# Altium PCB SAC100001-PB-Collar.PcbDoc (part 1 of 4) (continued)
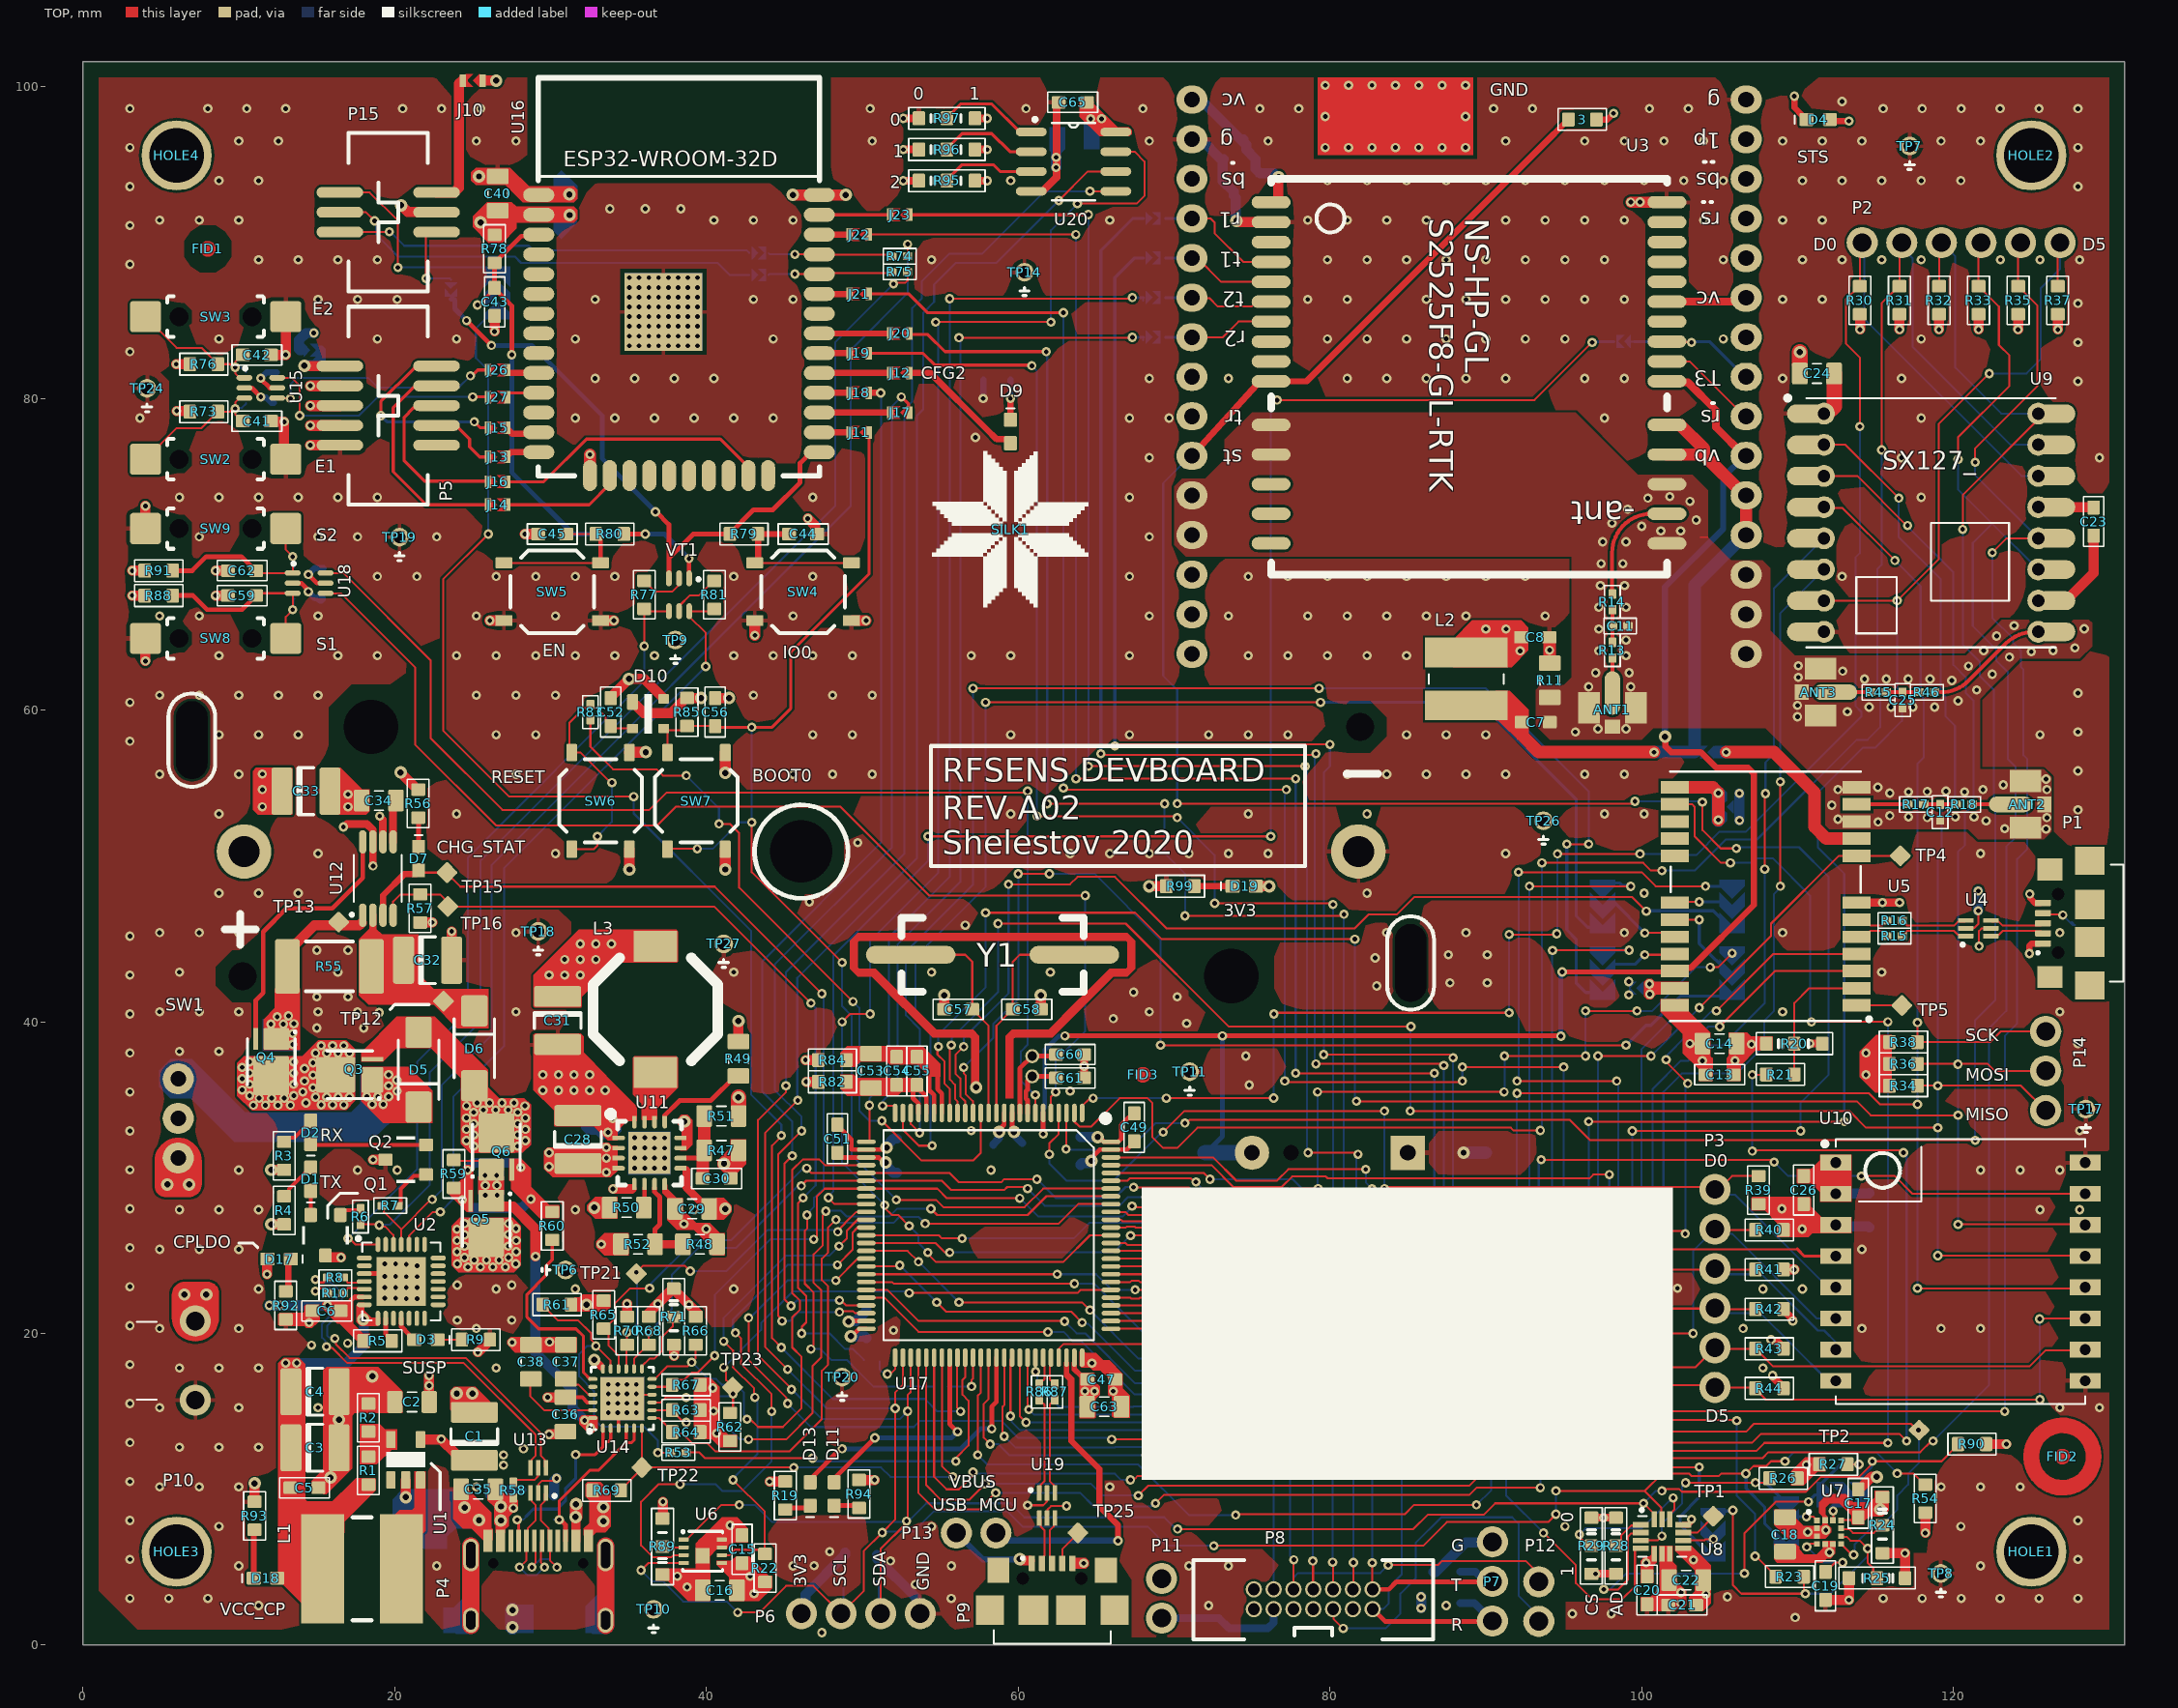
[diagram p0: TOP view]
## Components (designator, comment, footprint, x,y, rotation, side; value= is the part's Value field where it differs from the comment) (continued)
TP16 "TEST_POINT" TP_1MM 23.4,47.4 r90 top
TP17 "TEST_POINT" THOOK_0.8-1 128.5,34.4 r0 top
TP18 "TEST_POINT" THOOK_0.8-1 29.2,45.8 r0 top
TP19 "TEST_POINT" THOOK_0.8-1 20.3,71.1 r0 top
TP20 "TEST_POINT" THOOK_0.8-1 48.7,17.2 r0 top
TP21 "TEST_POINT" TP_1MM 35.5,23.825 r90 top
TP22 "TEST_POINT" TP_1MM 35.85,11.4 r270 top
TP23 "TEST_POINT" TP_1MM 41.675,16.55 r90 top
TP24 "TEST_POINT" THOOK_0.8-1 4.1,80.65 r0 top
TP25 "TEST_POINT" TP_1MM 63.825,7.2 r90 top
TP26 "TEST_POINT" THOOK_0.8-1 93.7,52.9 r0 top
TP27 "TEST_POINT" THOOK_0.8-1 41.1,45 r0 top
U1 "TPS560200DBVR" SOT-23-5 20.7,11.9 r90 top
U2 "CP2102-GM" QFN50P500X500X100-29N 20.412,23.34 r0 top
U3 "NS-HP-GL" SKYTRAQ-MOD-COMB 88.925,81.393 r180 top
U4 "USBLC6-2" SOT-666 121.6,46 r90 top
U5 "NEO-M8" NEO 107.958,48.05 r0 top
U6 "SHT30-DIS" SHT3X 39.75,6.025 r0 top
U7 "LIS3MDLTR" VFLGA-12 112.022,7.252 r0 top
U8 "LSM6DSOX" LGA-14L-PQFN50P250X300X86-14N 101.309,6.971 r0 top
U9 "SX1278" SX1278 118.575,72.025 r0 top
U10 "RA-02" RA-02 120.46,23.965 r0 top
U11 "TPS62110RSAT" VQFN-16 36.344,31.575 r0 top
U12 "MCP73843" MSOP-8-SOP65P490X110-8N 18.916,49.194 r90 top
U13 "USBLC6-2" SOT-666 29.2,10.575 r180 top
U14 "STUSB1602" QFN24-4x4x0.9 34.6,15.825 r90 top
U15 "74HC2G14" SOT363/SOT65P210X110-6N 11.4,80.675 r0 top
U16 "ESP32-WROOM-32D" ESP32-WROOM-32 38.235,87.8 r0 top
U17 "STM32L476VGT" LQFP100_0.5 58.1,26.3 r180 top
U18 "74HC2G14" SOT363/SOT65P210X110-6N 14.5,68.15 r0 top
U19 "USBLC6-2" SOT-666 61.85,8.95 r0 top
U20 "M24C64-WDW6T" SO-8-SOIC127P600X175-8N 63.55,95.2 r0 top
VT1 "BC847BDW1T1G" SOT363/SOT65P210X110-6N 38.235,67.4 r270 top
Y1 "Q_8MHz" QSMD12.3x4.5x4.2 58.35,44.3 r0 top
Y2 "Q_32.768KHz" HC_3.0X8.0 65.8,37.15 r180 bottom

## Footprints (in the part's own frame and the unit in brackets; to place one, negate y for a bottom-side part, rotate by r counter-clockwise, add the part's x,y. Pads: shape width x height; smd on the part's side, far side on the other; paste and mask are expansions set on the pad)
18650-COMBI [mm]
  round 1.524 hole 2 slot 5 at 90 deg unplated: MECH(-39.1,-7.15) MECH(39.1,7.15)
  round 1.524 hole 1.8 unplated mask+0.5: MECH(-35.85,8) MECH(35.85,-8)
  round 1.524 hole 3.5 unplated mask+1.4: MECH(-27.6,-8) MECH(27.6,8)
  round 1.524 hole 4 unplated mask+1.6: MECH(0,0)
  round 3.5 hole 2: NEG(35.75,0) POS(-35.75,0)
  rrect100% 8x3.5 smd: NEG(38,0) POS(-38,0)
  rect 6x8 smd: NEG(41.5,0) POS(-41.5,0)
  TOP pour cut-out: -30.35,-6.749 -28.851,-5.251 -26.349,-5.25 -24.85,-6.75 -24.85,-9.25 -26.35,-10.75 -28.85,-10.75 -30.35,-9.249
  TOP pour cut-out: 24.85,9.251 26.349,10.749 28.851,10.75 30.35,9.25 30.35,6.75 28.85,5.25 26.35,5.25 24.85,6.751
  TOP pour cut-out: -2.75,1.251 -1.251,2.749 1.251,2.75 2.75,1.25 2.75,-1.25 1.25,-2.75 -1.25,-2.75 -2.75,-1.249
  TOP pour cut-out: 34.1,-7.4 35.2,-6.3 36.5,-6.3 37.6,-7.401 37.6,-8.6 36.5,-9.7 35.2,-9.7 34.1,-8.599
  TOP pour cut-out: -37.6,8.6 -36.5,9.7 -35.2,9.7 -34.1,8.599 -34.1,7.4 -35.2,6.3 -36.5,6.3 -37.6,7.401
  BOT pour cut-out: 24.85,9.251 26.349,10.749 28.851,10.75 30.35,9.25 30.35,6.75 28.85,5.25 26.35,5.25 24.85,6.751
  BOT pour cut-out: -30.35,-6.749 -28.851,-5.251 -26.349,-5.25 -24.85,-6.75 -24.85,-9.25 -26.35,-10.75 -28.85,-10.75 -30.35,-9.249
  BOT pour cut-out: -2.75,1.251 -1.251,2.749 1.251,2.75 2.75,1.25 2.75,-1.25 1.25,-2.75 -1.25,-2.75 -2.75,-1.249
  BOT pour cut-out: 34.1,-7.4 35.2,-6.3 36.5,-6.3 37.6,-7.401 37.6,-8.6 36.5,-9.7 35.2,-9.7 34.1,-8.599
  BOT pour cut-out: -37.6,8.6 -36.5,9.7 -35.2,9.7 -34.1,8.599 -34.1,7.4 -35.2,6.3 -36.5,6.3 -37.6,7.401
  silkscreen extent -43,-10.25 43,10.25, body extent -42.98,-10.33 43.03,10.32, height 14.96
BH500-CR1216/20/25-COMB [mm]
  round 0.5 hole 1 unplated: H(2.5,0)
  rect 2.4x2.2 smd: NEG(-10,0) POS(8,0)
  rect 2.2x2.2 hole 1.016: NEG(-5,0)
  round 2.2 hole 1: POS(5,0)
  silkscreen extent -8.3,-6.8 5.75,6.8, body extent -10.4,-7.35 8.4,7.4, height 4.33
BH-6-SMD-1.27 [mm]
  rrect100% 0.7x3 smd: 1(1.27,3.1) 2(1.27,-3.1) 3(0,3.1) 4(0,-3.1) 5(-1.27,3.1) 6(-1.27,-3.1)
  silkscreen extent -5.08,-2.54 5.08,2.54, body extent -5.13,-3.1 5.13,3.1, height 5.05
BH-10-SMD-1.27 [mm]
  rrect100% 0.7x3 smd: 1(2.54,3.1) 2(2.54,-3.1) 3(1.27,3.1) 4(1.27,-3.1) 5(0,3.1) 6(0,-3.1) 7(-1.27,3.1) 8(-1.27,-3.1) 9(-2.54,3.1) 10(-2.54,-3.1)
  silkscreen extent -6.35,-2.54 6.35,2.54, body extent -6.32,-3.05 6.32,3.05, height 5.45
BH-14-1.27 [mm]
  round 1.05 hole 0.762: 1(3.81,0.635) 2(3.81,-0.635) 3(2.54,0.635) 4(2.54,-0.635) 5(1.27,0.635) 6(1.27,-0.635) 7(0,0.635) 8(0,-0.635) 9(-1.27,0.635) 10(-1.27,-0.635) 11(-2.54,0.635) 12(-2.54,-0.635) 13(-3.81,0.635) 14(-3.81,-0.635)
  silkscreen extent -7.7,-2.51 7.7,2.57, body extent -7.7,-2.5 7.7,5.11, height 5.05
C0402 [mm]
  rrect20% 0.6x0.5 smd: 1(-0.5,0) 2(0.5,0)
  silkscreen extent -1.05,-0.5 1.05,0.5, body extent -0.49,-0.25 0.49,0.25, height 0.55
C0603 [mm]
  rrect20% 0.9x0.8 smd: 1(-0.9,0) 2(0.9,0)
  silkscreen extent -1.6,-0.65 1.6,0.65, body extent -0.8,-0.64 0.8,0.39, height 1.25
C0603_NOSILK [mm]
  rrect20% 0.9x0.8 smd: 1(-0.9,0) 2(0.9,0)
  body extent -0.8,-0.64 0.8,0.39, height 1.25
C0805 [mm]
  rrect20% 1x1.4 smd: 1(-1.1,0) 2(1.1,0)
  silkscreen extent -0.3,-0.63 0.3,0.63, body extent -1,-0.63 1,0.63, height 0.85
C1206 [mm]
  rrect20% 1.4x1.8 smd: 1(-1.5,0) 2(1.5,0)
  silkscreen extent -0.5,-0.8 0.5,0.8, body extent -1.6,-0.8 1.6,0.8, height 1.3
CAP_SIZE_B [mm]
  rrect20% 1.34x3.02 smd: 1(-1.54,0) 2(1.54,0)
  silkscreen extent -0.6,-1.5 0.5,1.5, body extent -1.85,-1.5 1.85,1.5, height 2.11
CFG_0603 [mm]
  rect 0.3x0.3 smd paste-2: 1(-1.45,0) 2(-0.175,0) 3(1.3,0)
  TOP region: -0.775,0 0.025,0.8 0.925,0.8 0.125,0 0.925,-0.8 0.025,-0.8
  TOP region: 1.325,0.8 0.525,0 1.325,-0.8 1.725,-0.8 1.725,0.8
  TOP region: -0.375,0.8 -1.675,0.8 -1.675,-0.8 -0.375,-0.8 -1.175,0
CFG_J_0603 [mm]
  rect 0.4x0.8 smd: 1(-0.625,0) 2(0.625,0)
  TOP region: -0.15,0.4
  TOP region: -0.05,0.4
  TOP region: -0.05,0.4
  TOP region: 0.45,-0.4 0.425,-0.4 0.025,0 0.425,0.4 0.45,0.4
  TOP region: 0,-0.4 0.025,-0.4 -0.375,0 0.025,0.4 -0.45,0.4 -0.45,-0.4
CON-UUSB-F-2 [mm]
  rrect20% 0.4x1 smd: 1(-1.3,3) 2(-0.65,3) 3(0,3) 4(0.65,3) 5(1.3,3)
  round 0.7 hole 0.8 unplated: None(-1.88,2.025) None(1.88,2.025)
  rect 1.8x1.9 smd: S1(4,0) S2(-4,0)
  rect 1.4x1.6 smd: S3(-3.45,2.55) S4(3.45,2.55)
  rect 1.9x1.9 smd: S5(-1.2,0) S6(1.2,0)
  silkscreen extent -3.75,-2.15 3.75,3.4, body extent -4,-2.87 4,2.73, height 2.78
DO-214AC [mm]
  rrect20% 2x1.7 smd: A(-2.4,0) C(2.4,0)
  silkscreen extent -1.9,-1.3 1.9,1.3, body extent -2.6,-1.3 2.6,1.3, height 2.4
ESP32-WROOM-32 [mm]
  rrect100% 2x0.9 smd: 1(-9,5.26) 2(-9,3.99) 3(-9,2.72) 4(-9,1.45) 5(-9,0.18) 6(-9,-1.09) 7(-9,-2.36) 8(-9,-3.63) 9(-9,-4.9) 10(-9,-6.17) 11(-9,-7.44) 12(-9,-8.71) 13(-9,-9.98) 14(-9,-11.25) 25(9,-11.25) 26(9,-9.98) 27(9,-8.71) 28(9,-7.44) 29(9,-6.17) 30(9,-4.9) 31(9,-3.63) 32(9,-2.36) 33(9,-1.09) 34(9,0.18) 35(9,1.45) 36(9,2.72) 37(9,3.99) 38(9,5.26)
  rrect100% 0.9x2 smd: 15(-5.715,-12.75) 16(-4.445,-12.75) 17(-3.175,-12.75) 18(-1.905,-12.75) 19(-0.635,-12.75) 20(0.635,-12.75) 21(1.905,-12.75) 22(3.175,-12.75) 23(4.445,-12.75) 24(5.715,-12.75)
  rect 5x5 smd: 39(-1,-2.24)
  silkscreen extent -9.03,-12.77 9.03,12.77, body extent -9.05,-12.78 9.02,12.76, height 3.1
FID_C_2-1 [mm]
  TOP circle w0.6: c0,0 r0.2
  TOP region: 0,0
FID_C_5-3-1 [mm]
  TOP circle w1: c0,0 r2
  TOP circle w0.6: c0,0 r0.2
  TOP region: 0,0
HC_3.0X8.0 [mm]
  round 0.9 hole 0.6: 1(4.9,0.65) 2(4.9,-0.65)
  rrect20% 4x2.2 smd: PAD(-0.4,0)
  silkscreen extent 1.9,-1 4.02,1, body extent -2.14,-1 5,1, height 2.1
"HEADER 1x2 2.54" [mm]
  round 2 hole 1.2: 1(0,1.27) 2(0,-1.27)
  body extent -1.3,-2.47 1.3,2.47, height 11.8
"HEADER 1x4 2.54" [mm]
  round 2 hole 1.2: 1(0,3.81) 2(0,1.27) 3(0,-1.27) 4(0,-3.81)
  body extent -1.3,-5.01 1.3,5.01, height 11.8
"HEADER 1x6 2.54" [mm]
  round 2 hole 1.2: 1(0,6.35) 2(0,3.81) 3(0,1.27) 4(0,-1.27) 5(0,-3.81) 6(0,-6.35)
  body extent -1.3,-7.55 1.3,7.55, height 11.8
HOLE_M3 [mm]
  round 4.5 hole 3.5: None(0,0)
L_CDRH4D18 [mm]
  rect 5.3x1.9 smd: 1(0,1.7) 2(0,-1.7)
  silkscreen extent -2.4,-0.3 2.4,0.3, body extent -2.35,-2.35 3.05,2.35, height 2.1
L_CDRH6D28 [mm]
  rect 2.75x7 smd: 1(2.525,0) 2(-2.525,0)
  silkscreen extent -0.6,-3.3 0.6,3.3, body extent -3.35,-3.35 3.35,3.35, height 3
L_CDRH8D43 [mm]
  rect 2x2.8 smd: 1(4.05,0) 2(-4.05,0)
  silkscreen extent -3.3,-4 3.3,4, body extent -4.34,-4 4.34,4, height 4.5
LED_0604 [mm]
  rrect20% 0.91x0.83 smd: A(0.75,0) C(-0.75,0)
  silkscreen extent -1.5,-0.25 -1.5,0.25, body extent -0.81,-0.4 0.81,0.4, height 0.6
LGA-14L-PQFN50P250X300X86-14N [mm]
  rect 1.01x0.35 smd: 1(-1.36,0.75) 2(-1.36,0.25) 3(-1.36,-0.25) 4(-1.36,-0.75) 8(1.36,-0.75) 9(1.36,-0.25) 10(1.36,0.25) 11(1.36,0.75)
  rect 0.35x1.01 smd: 5(-0.5,-1.11) 6(0,-1.11) 7(0.5,-1.11) 12(0.5,1.11) 13(0,1.11) 14(-0.5,1.11)
  silkscreen extent -1.55,-1.3 1.55,1.8, body extent -1.5,-1.25 1.5,1.25, height 0.88
LQFP100_0.5 [mm]
  oval 0.3x1.2 smd: 1(-6,-7.85) 2(-5.5,-7.85) 3(-5,-7.85) 4(-4.5,-7.85) 5(-4,-7.85) 6(-3.5,-7.85) 7(-3,-7.85) 8(-2.5,-7.85) 9(-2,-7.85) 10(-1.5,-7.85) 11(-1,-7.85) 12(-0.5,-7.85) 13(0,-7.85) 14(0.5,-7.85) 15(1,-7.85) 16(1.5,-7.85) 17(2,-7.85) 18(2.5,-7.85) 19(3,-7.85) 20(3.5,-7.85) 21(4,-7.85) 22(4.5,-7.85) 23(5,-7.85) 24(5.5,-7.85) 25(6,-7.85) 51(6,7.85) 52(5.5,7.85) 53(5,7.85) 54(4.5,7.85) 55(4,7.85) 56(3.5,7.85) 57(3,7.85) 58(2.5,7.85) 59(2,7.85) 60(1.5,7.85) 61(1,7.85) 62(0.5,7.85) 63(0,7.85) 64(-0.5,7.85) 65(-1,7.85) 66(-1.5,7.85) 67(-2,7.85) 68(-2.5,7.85) 69(-3,7.85) 70(-3.5,7.85) 71(-4,7.85) 72(-4.5,7.85) 73(-5,7.85) 74(-5.5,7.85) 75(-6,7.85)
  oval 1.2x0.3 smd: 26(7.85,-6) 27(7.85,-5.5) 28(7.85,-5) 29(7.85,-4.5) 30(7.85,-4) 31(7.85,-3.5) 32(7.85,-3) 33(7.85,-2.5) 34(7.85,-2) 35(7.85,-1.5) 36(7.85,-1) 37(7.85,-0.5) 38(7.85,0) 39(7.85,0.5) 40(7.85,1) 41(7.85,1.5) 42(7.85,2) 43(7.85,2.5) 44(7.85,3) 45(7.85,3.5) 46(7.85,4) 47(7.85,4.5) 48(7.85,5) 49(7.85,5.5) 50(7.85,6) 76(-7.85,6) 77(-7.85,5.5) 78(-7.85,5) 79(-7.85,4.5) 80(-7.85,4) 81(-7.85,3.5) 82(-7.85,3) 83(-7.85,2.5) 84(-7.85,2) 85(-7.85,1.5) 86(-7.85,1) 87(-7.85,0.5) 88(-7.85,0) 89(-7.85,-0.5) 90(-7.85,-1) 91(-7.85,-1.5) 92(-7.85,-2) 93(-7.85,-2.5) 94(-7.85,-3) 95(-7.85,-3.5) 96(-7.85,-4) 97(-7.85,-4.5) 98(-7.85,-5) 99(-7.85,-5.5) 100(-7.85,-6)
  silkscreen extent -7.8,-7.8 6.74,6.74, body extent -8,-8 8,8, height 1.6
MSOP-8-SOP65P490X110-8N [mm]
  rrect100% 1.5x0.49 smd: 1(-2.355,0.975) 2(-2.355,0.325) 3(-2.355,-0.325) 4(-2.355,-0.975) 5(2.355,-0.975) 6(2.355,-0.325) 7(2.355,0.325) 8(2.355,0.975)
  silkscreen extent -2.42,-1.53 1.5,1.77, body extent -2.5,-1.5 2.5,1.5, height 0.92
NEO [mm] "u-blox NEO GNSS module"
  rect 1.8x0.8 smd paste-0.1: 1(5.842,-7) 2(5.842,-5.9) 3(5.842,-4.8) 4(5.842,-3.7) 5(5.842,-2.6) 6(5.842,-1.5) 7(5.842,-0.4) 8(5.842,2.6) 9(5.842,3.7) 10(5.842,4.8) 11(5.842,5.9) 12(5.842,7) 13(-5.842,7) 14(-5.842,5.9) 15(-5.842,4.8) 16(-5.842,3.7) 17(-5.842,2.6) 18(-5.842,-0.4) 19(-5.842,-1.5) 20(-5.842,-2.6) 21(-5.842,-3.7) 22(-5.842,-4.8) 23(-5.842,-5.9) 24(-5.842,-7)
  silkscreen extent -6.11,-8 6.69,8, body extent -6.1,-8 6.1,8, height 2.28
PQFN-3X3 [mm]
  rrect10% 1.4x1.634 smd: 1(-1.45,0.325)
  rrect20% 1.4x0.3 smd: 2(-1.45,-1)
  rrect10% 2.5x2.3 smd: 3(0.9,0)
  silkscreen extent -1.97,-1.53 1.48,1.6, body extent -1.51,-1.5 1.52,1.5, height 1
QFN24-4x4x0.9 [mm]
  oval 0.6x0.25 smd: 1(-1.9,1.25) 2(-1.9,0.75) 3(-1.9,0.25) 4(-1.9,-0.25) 5(-1.9,-0.75) 6(-1.9,-1.25) 13(1.9,-1.25) 14(1.9,-0.75) 15(1.9,-0.25) 16(1.9,0.25) 17(1.9,0.75) 18(1.9,1.25)
  oval 0.25x0.6 smd: 7(-1.25,-1.9) 8(-0.75,-1.9) 9(-0.25,-1.9) 10(0.25,-1.9) 11(0.75,-1.9) 12(1.25,-1.9) 19(1.25,1.9) 20(0.75,1.9) 21(0.25,1.9) 22(-0.25,1.9) 23(-0.75,1.9) 24(-1.25,1.9)
  rect 2.8x2.8 smd mask+0.05: PAD(0,0)
  TOP region: -1.775,-1.475
  silkscreen extent -2.2,-2 2,2.2, body extent -2,-2.01 2.01,2, height 0.95
QFN50P500X500X100-29N [mm]
  rrect100% 0.97x0.3 smd mask+0.11: 1(-2.37,1.5) 2(-2.37,1) 3(-2.37,0.5) 4(-2.37,0) 5(-2.37,-0.5) 6(-2.37,-1) 7(-2.37,-1.5) 15(2.37,-1.5) 16(2.37,-1) 17(2.37,-0.5) 18(2.37,0) 19(2.37,0.5) 20(2.37,1) 21(2.37,1.5)
  rrect100% 0.3x0.97 smd mask+0.11: 8(-1.5,-2.37) 9(-1,-2.37) 10(-0.5,-2.37) 11(0,-2.37) 12(0.5,-2.37) 13(1,-2.37) 14(1.5,-2.37) 22(1.5,2.37) 23(1,2.37) 24(0.5,2.37) 25(0,2.37) 26(-0.5,2.37) 27(-1,2.37) 28(-1.5,2.37)
  rect 3.15x3.15 smd: 29(0,0)
  silkscreen extent -2.84,-2.5 2.5,2.84, body extent -2.5,-2.5 2.5,2.5, height 1.1
QSMD12.3x4.5x4.2 [mm]
  oval 5.75x1.15 smd: 1(-5.25,0) 2(5.25,0)
  silkscreen extent -5.85,-2.37 5.85,2.37, body extent -6.25,-2.4 6.25,2.4, height 4
R0402 [mm]
  rrect20% 0.6x0.5 smd: 1(-0.5,0) 2(0.5,0)
  silkscreen extent -1.05,-0.5 1.05,0.5, body extent -0.5,-0.25 0.5,0.25, height 0.35
R0402_NOSILK [mm]
  rrect20% 0.6x0.5 smd: 1(-0.5,0) 2(0.5,0)
  body extent -0.5,-0.25 0.5,0.25, height 0.35
R0603 [mm]
  rrect20% 0.8x0.9 smd: 1(-0.9,0) 2(0.9,0)
  silkscreen extent -1.55,-0.7 1.55,0.7, body extent -0.8,-0.4 0.8,0.4, height 0.45
R0805 [mm]
  rrect20% 1x1.4 smd: 1(-1.1,0) 2(1.1,0)
  silkscreen extent -0.3,-0.63 0.3,0.63, body extent -1,-0.62 1,0.63, height 0.6
R2512 [mm]
  rrect20% 1.6x3.5 smd: 1(-2.7,0) 2(2.7,0)
  silkscreen extent -1.5,-1.6 1.5,1.6, body extent -3.2,-1.6 3.2,1.6, height 0.6
RA-02 [mm]
  rect 2x1 hole 0.7: 1(-8,7) 2(-8,5) 3(-8,3) 4(-8,1) 5(-8,-1) 6(-8,-3) 7(-8,-5) 8(-8,-7) 9(8,-7) 10(8,-5) 11(8,-3) 12(8,-1) 13(8,1) 14(8,3) 15(8,5) 16(8,7)
  silkscreen extent -8.8,-8.5 8,8.5, body extent -8,-8.5 8,8.5, height 3.2
RJ0603 [mm]
  rrect20% 0.8x0.9 smd: 1(-1.8,0) 2(0,0) 3(1.8,0)
  silkscreen extent -2.45,-0.7 2.45,0.7, body extent -1.7,-0.4 -0.1,0.4, height 0.45
SHT3X [mm]
  rrect20% 0.65x0.25 smd: 1(-1.225,0.75) 2(-1.225,0.25) 3(-1.225,-0.25) 4(-1.225,-0.75) 5(1.225,-0.75) 6(1.225,-0.25) 7(1.225,0.25) 8(1.225,0.75)
  rect 0.9x1 smd: PAD(0,-0.3)
  TOP region: -0.45,0.5 -0.15,0.8 0.45,0.8 0.45,0.1 -0.45,0.1
  silkscreen extent -1.3,-1.28 1.28,1.29, body extent -1.26,-1.25 1.26,1.25, height 0.92
SILK_FERNFLOWER [mm]
  silkscreen extent -5.01,-5.01 5.01,5.01
SKYTRAQ-MOD-COMB [mm] "SkyTraq module S2525-F8-GL/NS-HP-GL[-5/-10]"
  rrect100% 2.5x0.8 smd: 1(12.7,-11.2) 2(12.7,-9.923) 3(12.7,-8.646) 4(12.7,-7.369) 5(12.7,-6.092) 6(12.7,-4.815) 7(12.7,-3.538) 8(12.7,-2.261) 9(12.7,-0.984) 10(12.7,0.293) 11(12.7,3.093) 12(12.7,4.993) 13(12.7,6.893) 14(12.7,8.793) 15(12.7,10.693) 16(-12.7,10.693) 17(-12.7,8.793) 18(-12.7,6.893) 19(-12.7,4.993) 20(-12.7,3.093) 21(-12.7,0.293) 22(-12.7,-0.984) 23(-12.7,-2.261) 24(-12.7,-3.538) 25(-12.7,-4.815) 26(-12.7,-6.092) 27(-12.7,-7.369) 28(-12.7,-8.646) 29(-12.7,-9.923) 30(-12.7,-11.2)
  oval 2x1.8 hole 1: 1(17.78,-17.78) 2(17.78,-15.24) 3(17.78,-12.7) 4(17.78,-10.16) 5(17.78,-7.62) 6(17.78,-5.08) 7(17.78,-2.54) 8(17.78,0) 9(17.78,2.54) 10(17.78,5.08) 11(17.78,7.62) 12(17.78,10.16) 13(17.78,12.7) 14(17.78,15.24) 15(17.78,17.78) 16(-17.78,15.24) 16(-17.78,17.78) 18(-17.78,12.7) 19(-17.78,10.16) 20(-17.78,7.62) 21(-17.78,5.08) 22(-17.78,2.54) 23(-17.78,0) 24(-17.78,-2.54) 25(-17.78,-5.08) 26(-17.78,-7.62) 27(-17.78,-10.16) 28(-17.78,-12.7) 29(-17.78,-15.24) 30(-17.78,-17.78)
  silkscreen extent -15.7,-13.79 15.2,12.7, body extent -19.08,-18.98 19.08,18.98, height 12.56
SO-8-SOIC127P600X175-8N [mil]
  rrect100% 78x22 smd: 1(-106.84,75) 2(-106.84,25) 3(-106.84,-25) 4(-106.84,-75) 5(106.84,-75) 6(106.84,-25) 7(106.84,25) 8(106.84,75)
  silkscreen extent -101,-98 54,110, body extent -118,-97 118,97, height 66
SOT143B [mm]
  rrect20% 1x0.7 smd: 1(-0.75,-1)
  rrect20% 0.6x0.7 smd: 2(0.95,-1) 3(0.95,1) 4(-0.95,1)
  silkscreen extent -1.27,-0.25 1.27,0.25, body extent -1.45,-1.18 1.45,1.18, height 1.22
SOT363/SOT65P210X110-6N [mm]
  rrect100% 1.02x0.36 smd: 1(-1.055,0.65) 2(-1.055,0) 3(-1.055,-0.65) 4(1.055,-0.65) 5(1.055,0) 6(1.055,0.65)
  silkscreen extent -1.1,1.15 -0.9,1.35, body extent -1.15,-1.05 1.15,1.05, height 1
SOT-23-5 [mm]
  rrect20% 1.1x0.6 smd: 1(-1.3,0.95) 2(-1.3,0) 3(-1.3,-0.95) 4(1.3,-0.95) 5(1.3,0.95)
  silkscreen extent -0.5,-1.25 0.5,1.25, body extent -1.25,-1.5 1.25,1.5, height 1.1
SOT-23_TO-236 [mm]
  rrect20% 0.9x0.8 smd: 1(1.3,-0.95) 2(1.3,0.95) 3(-1.3,0)
  silkscreen extent -0.6,-1.49 0.6,1.5, body extent -1.25,-1.5 1.25,1.5, height 1.1
SOT-666 [mm]
  rrect20% 0.3x0.99 smd: 1(-0.5,0.805) 2(0,0.805) 3(0.5,0.805) 4(0.5,-0.805) 5(0,-0.805) 6(-0.5,-0.805)
  silkscreen extent -1.15,0.9 -0.95,1.1, body extent -0.8,-0.8 0.8,0.8, height 0.6
"SW_1x3 2.54" [mm]
  round 2 hole 1: 1(0,2.54) 2(0,0) 3(0,-2.54)
  body extent -3.75,-6.25 3.75,6.25, height 14.1
SW_4X4X1.5 [mm]
  rrect20% 1.1x0.7 smd: 1(-3.1,-1.85) 2(-3.1,1.85) 3(3.1,-1.85) 4(3.1,1.85)
  silkscreen extent -2.68,-2.65 2.68,2.65, body extent -3.2,-2.65 3.2,2.65, height 1.55
SW_TACTM-35N-F [mm]
  rrect20% 2x2 smd: 1(-4.5,0) 2(4.5,0)
  round 0.5 hole 1.2 unplated mask+0.5: MECH(-2.35,0)
  round 0.5 hole 1.2 unplated paste+0 mask+0.45: MECH(2.35,0)
  TOP pour cut-out: 1.5,0.4 2,0.9 2.7,0.9 3.2,0.4 3.2,-0.4 2.7,-0.9 2,-0.9 1.5,-0.4
  TOP pour cut-out: -3.2,0.4 -2.7,0.9 -2,0.9 -1.5,0.4 -1.5,-0.4 -2,-0.9 -2.7,-0.9 -3.2,-0.4
  BOT pour cut-out: 1.5,0.4 2,0.9 2.7,0.9 3.2,0.4 3.2,-0.4 2.7,-0.9 2,-0.9 1.5,-0.4
  BOT pour cut-out: -3.2,0.4 -2.7,0.9 -2,0.9 -1.5,0.4 -1.5,-0.4 -2,-0.9 -2.7,-0.9 -3.2,-0.4
  silkscreen extent -3.2,-1.3 3.1,1.3, body extent -4.6,-1.3 4.6,1.3, height 4.65
SX1278 [mm]
  rrect100% 2.6x1.2 smd: 1(-7.95,7) 2(-7.95,5) 3(-7.95,3) 4(-7.95,1) 5(-7.95,-1) 6(-7.95,-3) 7(-7.95,-5) 8(-7.95,-7) 9(7.95,-7) 10(7.95,-5) 11(7.95,-3) 12(7.95,-1) 13(7.95,1) 14(7.95,3) 15(7.95,5) 16(7.95,7)
  round 1.4 hole 0.8: 1(-6.875,7) 2(-6.875,5) 3(-6.875,3) 4(-6.875,1) 5(-6.875,-1) 6(-6.875,-3) 7(-6.875,-5) 8(-6.875,-7) 9(6.875,-7) 10(6.875,-5) 11(6.875,-3) 12(6.875,-1) 13(6.875,1) 14(6.875,3) 15(6.875,5) 16(6.875,7)
  silkscreen extent -9.3,-8 8,8.1, body extent -8,-7.95 8,7.95, height 2.29
TERM_BLK_2.54 [mm]
  round 2 hole 1.2: 1(-2.54,0) 2(2.54,0)
  silkscreen extent -2.5,-3.75 2.5,-2.5, body extent -5.53,-4.48 5.02,4.52, height 13.55
THOOK_0.8-1 [mm]
  round 1.2 hole 0.8: 1(0,0)
  silkscreen extent -0.3,-1.5 0.3,-1, body extent -0.25,-0.25 0.25,0.25, height 3
TP_1MM [mm]
  rrect20% 1x1 smd rot 45 paste-2: 1(0,0)
"U.FL CONNECTOR" [mm]
  rrect100% 1x2.8 smd: ANT(0,-0.9)
  rect 1.4x2 smd: GND(-1.5,0.05) GND(1.5,0.05)
  rect 1x0.9 smd: GND(0,1.25)
  body extent -1.5,-1.55 1.5,1.55, height 1.4
UART_2.54 [mm]
  round 2 hole 1.2: 1(0,2.54) 2(0,0) 3(0,-2.54)
  body extent -1.3,-3.74 1.3,3.74, height 11.8
USB-TYPE-C-B-229 [mm]
  rect 0.6x1.45 smd: A1-B12(-3.225,2.548) A4-B9(-2.425,2.548) A9-B4(2.425,2.548) A12-B1(3.225,2.548)
  rect 0.3x1.45 smd: A5(-1.25,2.548) A6(-0.25,2.548) A7(0.25,2.548) A8(1.25,2.548) B5(1.75,2.548) B6(0.75,2.548) B7(-0.75,2.548) B8(-1.75,2.548)
  round 0.2 hole 0.65 unplated paste+0 mask+0.3: MECH(-2.89,1.102) MECH(2.89,1.102)
  oval 1x1.6 hole 0.6 slot 1.2 at 90 deg: SHIELD(-4.32,-2.548) SHIELD(4.32,-2.548)
  oval 1x2.1 hole 0.6 slot 1.7 at 90 deg: SHIELD(-4.32,1.632) SHIELD(4.32,1.632)
  body extent -4.48,-5.2 4.48,2.55, height 3.26
VFLGA-12 [mm]
  rect 0.375x0.35 smd mask-2: 1(-0.763,0.75) 2(-0.763,0.25) 3(-0.763,-0.25) 4(-0.763,-0.75) 7(0.763,-0.75) 8(0.763,-0.25) 9(0.763,0.25) 10(0.763,0.75)
  rect 0.35x0.375 smd mask-2: 5(-0.25,-0.763) 6(0.25,-0.763) 11(0.25,0.763) 12(-0.25,0.763)
  silkscreen extent -1.4,1.2 -1.2,1.4, body extent -1,-1 1,1, height 0.95
VQFN-16 [mm]
  rect 0.3x0.3 smd: 1(-2.225,0.975) 2(-2.225,0.325) 3(-2.225,-0.325) 4(-2.225,-0.975) 5(-0.975,-2.225) 6(-0.325,-2.225) 7(0.325,-2.225) 8(0.975,-2.225) 9(2.225,-0.975) 10(2.225,-0.325) 11(2.225,0.325) 12(2.225,0.975) 13(0.975,2.225) 14(0.325,2.225) 15(-0.325,2.225) 16(-0.975,2.225)
  oval 0.8x0.3 smd: 1(-1.975,0.975) 2(-1.975,0.325) 3(-1.975,-0.325) 4(-1.975,-0.975) 9(1.975,-0.975) 10(1.975,-0.325) 11(1.975,0.325) 12(1.975,0.975)
  oval 0.3x0.8 smd: 5(-0.975,-1.975) 6(-0.325,-1.975) 7(0.325,-1.975) 8(0.975,-1.975) 13(0.975,1.975) 14(0.325,1.975) 15(-0.325,1.975) 16(-0.975,1.975)
  rect 2.7x2.7 smd paste-2: PAD(0,0)
  silkscreen extent -2.7,-2.05 2.05,2.7, body extent -2.05,-2.05 2.05,2.05, height 1

## Part data
3 R3 R4 R9 R19 R56 R72 R79 R80 R85 R92 R93 R94 R99: library part R0603_470R, "Resistor General", Resistance=470R, Tolerance=5%, Owned=3000, Size=0603
ANT1 ANT2 ANT3: library part ANT-U.FL, "Generic U.FL connector with 1 ANT + 3 GND", Kosmodrom=http://www.kosmodrom.com.ua/el.php?name=U.FL-R-SMT-1[10], Owned=6, PriceKosmodromUAH=4,75, PriceRCSUAH=6, RCS=https://radiomag.prom.ua/p754064376-ipex-vilka-platu.html
B1: "Coin Cell Battery 3V 12 X 2.5 mm 48mA Holder", Package="Panasonic Battery", Availability=Unavailable, Kosmodrom=http://www.kosmodrom.com.ua/el.php?name=BH500, MF="Panasonic Battery", MP=BR1225, Price=None, PriceKosmodromUAH=8,25, Size=1225, SnapEDA_Link=https://www.snapeda.com/parts/BR1225/Panasonic/view-part/?ref=snap
B2: "18650 Li-ion Battery Holder", Kosmodrom=http://www.kosmodrom.com.ua/el.php?name=KEYS1042, Price=None, PriceKosmodromUAH=19,5, Size=18650
C1 C3 C4 C28 C32: library part CAP_B_10uF_25V, "Tantalum capacitor", Voltage=25V, Capacity=10uF, Kosmodrom=http://www.kosmodrom.com.ua/el.php?name=TR3B106K025C0450, PriceKosmodromUAH=6,75, PriceRCSUAH=5,5, RCS=https://www.rcscomponents.kiev.ua/product/10uf-25v-size-b-10-tajb106k025rnj-avx-kondensator-tantalovyj-smd_39635.html, Size=B
C2 C10 C14 C16 C18 C22 C24 C27 C29 C35 C36 C37 C38 C40 C53 C63 C64 C66: library part C0805_1uF_25V, "Ceramic capacitor", Voltage=25V, Capacity=1uF, Kosmodrom=http://www.kosmodrom.com.ua/el.php?name=CP0805125V10, PriceKosmodromUAH=1, Size=0805
C5 C6 C7 C8 C9 C13 C15 C17 C19 C20 C21 C23 C26 C46 C47 C48 C49 C50 C51 C54 C65: library part C0603_100nF_16V, "Ceramic capacitor", Voltage=16V, Capacity=100nF, Kosmodrom=http://www.kosmodrom.com.ua/el.php?name=CP06030.125V8020, PriceKosmodromUAH=1, Size=0603
C11 C12 C25: library part C0402_10pF_50V, "Ceramic capacitor", Voltage=50V, Capacity=10pF, PriceRCSUAH=0,3, RCS=https://www.rcscomponents.kiev.ua/product/10pf-50v-1-cog-0402-vj0402a100fxacw1bc-vishay_162340.html, Size=0402
C30: library part C0603_10pF_25V, "Ceramic capacitor", Voltage=25V, Capacity=10pF, PriceRCSUAH=0,45, RCS=https://www.rcscomponents.kiev.ua/product/10pf-50v-np0-0-25pf-0603-4k-reel-c0603n100c500nt-hitano-kondensator-keramicheskij-smd_3301.html, Size=0603
C31: library part CAP_B_22uF_6V3, "Tantalum capacitor", Voltage=6V3, Capacity=22uF, PriceRCSUAH=4,5, RCS=https://www.rcscomponents.kiev.ua/product/22uf-6-3v-size-b-20-tcscs0j226mbar-samsung-kondensator-tantalovyj-smd_6588.html, Size=B
C33: library part CAP_B_10uF_6V3, "Tantalum capacitor", Voltage=6V3, Capacity=10uF, PriceRCSUAH=4, RCS=https://www.rcscomponents.kiev.ua/product/10uf-10v-size-b-10-tajb106k010r-avx-kondensator-tantalovyj-smd_14318.html, Size=B
C34 C67: library part C0805_100nF_25V, "Ceramic capacitor", Voltage=25V, Capacity=100nF, PriceRCSUAH=1,1, RCS=https://www.rcscomponents.kiev.ua/product/100nf-25v-x7r-10-0805-4k-reel-c0805b104k250nt-hitano-kondensator-keramicheskij-smd_2259.html, Size=0805
C39: library part CAP_B_100uF_6V3, "Tantalum capacitor", Voltage=6V3, Capacity=100uF, PriceRCSUAH=5,5, RCS=https://www.rcscomponents.kiev.ua/product/100uf-6-3v-size-b-10-tajb107k006rnj-avx-kondensator-tantalovyj-smd_39633.html, Size=B
C41 C42 C43 C44 C45 C52 C56 C59 C62: library part C0603_1nF_25V, "Ceramic capacitor", Voltage=25V, Capacity=1nF, Kosmodrom=http://www.kosmodrom.com.ua/el.php?name=CP0603100050V10, PriceKosmodromUAH=0,75, Size=0603
C55: library part C0603_10nF_16V, "Ceramic capacitor", Voltage=16V, Capacity=10nF, Kosmodrom=http://www.kosmodrom.com.ua/el.php?name=CP06031050V10, PriceKosmodromUAH=0,25, Size=0603
C57 C58: library part C0603_20pF_50V, "Ceramic capacitor", Voltage=25V, Capacity=20pF, Kosmodrom=http://www.kosmodrom.com.ua/el.php?name=CP06032050V5, PriceKosmodromUAH=0,25, Size=0603
C60 C61: library part C0603_4.3pF_50V, "Ceramic capacitor", Voltage=25V, Capacity=4.3pF, Kosmodrom=http://www.kosmodrom.com.ua/el.php?name=CP06034.350V0.25, PriceKosmodromUAH=0,25, Size=0603
C68: library part C1206_1nF_2KV, "Ceramic capacitor", Voltage=2KV, Capacity=1nF, PriceRCSUAH=1,7, RCS=https://www.rcscomponents.kiev.ua/product/1nf-2000v-x7r-10-1206-3k-reel-1206b102k202n3-hitano-kondensatory-keramicheskie-smd_11455.html, Size=1206
D1 D2 D3 D4 D7 D9 D11 D13 D17 D18 D19: "Led General", Package="0805 Dialight", Availability=Unavailable, MF=Dialight, MP=598-8140-107F, Owned=3000, Price=None, SnapEDA_Link=https://www.snapeda.com/parts/598-8140-107F/Dialight/view-part/?ref=snap
D5 D6: library part D_SS-34, "Rectifier, Schottky; DO-214AB; 3.0A IF; 0.75V; 40V; 100A IFRM; 10000V/us; 1000pF", Package="DO-214 Vishay", Availability=Good, MF=Vishay, MP=SS34-E3/57T, Name=SS34, Price="0.33 USD", PriceRCSUAH=4, RCS=https://www.rcscomponents.kiev.ua/product/ss34a_123319.html, SnapEDA_Link=https://www.snapeda.com/symbols-footprints/SS34-E3/57T/Vishay%20Semiconductor%20Diodes%20Division/view-part/?ref=snap
D8 D10 D12 D14 D15 D16: "PRTR5V0U2X - Ultra low capacitance double rail-to-rail ESD protection diode", Package="SOT-143 Nexperia", Availability=Unavailable, Kosmodrom=http://www.kosmodrom.com.ua/el.php?name=PRTR5V0U2X.215, MF="Nexperia USA", MP=PRTR5V0U2X,215, Owned=10, Price=None, PriceKosmodromUAH=3,25, SnapEDA_Link=https://www.snapeda.com/parts/PRTR5V0U2X%2C215/Nexperia%20USA%20Inc./view-part/?ref=snap
L1: library part L_CDRH6D28_10uH_1.7A, "Inductor Generic", Current=1.7A, Inductivity=10uH, Kosmodrom=http://www.kosmodrom.com.ua/el.php?name=CDRH6D28NP-100NC, PriceKosmodromUAH=6,25, Size=CDHR6D28, Url=http://www.kosmodrom.com.ua/el.php?name=CDRH6D28NP-100NC
L2: library part L_CDRH4D18_10uH_0.61A, "Inductor Generic", Current=0.61A, Inductivity=10uH, Kosmodrom=http://www.kosmodrom.com.ua/el.php?name=CDRH4D18NP-100NC, PriceKosmodromUAH=7, Size=CDRH4D18, Url=http://www.kosmodrom.com.ua/el.php?name=CDRH4D18NP-100NC
L3: library part L_CDHR8D43_6.8uH_3.9A, "Inductor Generic", Current=3.9A, Inductivity=6.8uH, Size=CHDR8D43, Url=http://www.kosmodrom.com.ua/el.php?name=CDRH8D43NP-6R8NC
P1 P9: library part CON-USB-Micro/Mini, "Mini/Micro USB B Type RCPT", Package=None, Availability=Unavailable, Kosmodrom=http://www.kosmodrom.com.ua/el.php?name=ESB228110100Z, MF="TE Connectivity", MP=440247-2, Price=None, PriceKosmodromUAH=2,5, SnapEDA_Link=https://www.snapeda.com/parts/440247-2/TE%20Connectivity%20AMP%20Connectors/view-part/?ref=snap, TE_purchase_URL=https://www.te.com/usa-en/product-440247-2.html?te_bu=Cor&te_type=disp&te_campaign=seda_glo_cor-seda-global-disp-prtnr-fy19-seda-model-bom-cta_sma-317_1&elqCampaignId=32493
P4: "Type C 3A Throughthole Shell, USB2 + PD SMD pins", Kosmodrom=http://www.kosmodrom.com.ua/el.php?name=USB-Type-C-B-229, PriceKosmodromUAH=8,25
P5: "1,27 mm 2x5 Header", Kosmodrom=http://www.kosmodrom.com.ua/el.php?name=BH1.27SMD-10, Owned=10, PriceKosmodromUAH=7
P8: "1,27 mm 2x7 Header", Kosmodrom=http://www.kosmodrom.com.ua/el.php?name=BH1.27-14, Owned=10, PriceKosmodromUAH=7.75
P15: "1,27 mm 2x3 Header", Aliexpress=https://www.aliexpress.com/item/4000400690967.html?spm=a2g0s.9042311.0.0.cbd34c4duRVTSV, Owned=20, PriceAliexpress=7
Q1 Q2: "Power MOSFET Single P-Channel SOT-23 -50 V, 10", Kosmodrom=http://www.kosmodrom.com.ua/el.php?name=BSS84LT1G, PriceKosmodromUAH=1,75
Q3 Q4 Q5 Q6: "-30V Single P-Channel HEXFET Power MOSFET in a PQFN 3mm x 3mm package", Kosmodrom=http://www.kosmodrom.com.ua/el.php?name=IRFHM9331TRPBF, PriceKosmodromUAH=11,75
R1: library part R0603_105K_1%, "Resistor General", Resistance=105K, Tolerance=1%, PriceRCSUAH=0,07, RCS=https://www.rcscomponents.kiev.ua/product/105-kohm-1-0-1w-50v-0603-rc0603fr-105k0-hitano-rezistor-smd_39565.html, Size=0603
R2: library part R0603_20K_1%, "Resistor General", Resistance=20K, Tolerance=1%, PriceRCSUAH=0,07, RCS=https://www.rcscomponents.kiev.ua/product/20-kohm-1-0-1w-50v-0603-rc0603fr-20kr-hitano-rezistor-smd_16748.html, Size=0603
R5 R26 R27 R54 R90: library part R0603_4K7, "Resistor General", Resistance=4K7, Tolerance=5%, Owned=3000, Size=0603
R6 R7 R8 R10 R83 R86 R87 R101 R102: library part R0402_51R, "Resistor General", Resistance=51R, Kosmodrom=http://www.kosmodrom.com.ua/el.php?name=0402SMDRES51OM5, PriceKosmodromUAH=0,03, PriceRCSUAH=0,05, RCS=https://www.rcscomponents.kiev.ua/product/51-ohm-5-1-16w-50v-0402-rc0402jr-51r-hitano_11504.html, Size=0402
R11: library part R0805_0R, "Resistor General", Resistance=0R, Owned=3000, Size=0805
R13 R14 R15 R16 R17 R18 R45 R46 R53 R58 R74 R75 R98: library part R0402_0R, "Resistor General", Resistance=0, Kosmodrom=http://www.kosmodrom.com.ua/el.php?name=0402SMDRES0OM5, PriceKosmodromUAH=0,04, PriceRCSUAH=0,05, RCS=https://www.rcscomponents.kiev.ua/product/0-ohm-0402-wr04x000ptl-walsin_105536.html, Size=0402
R20 R24 R25 R28 R29 R71 R89 R95 R96 R97: library part RJ0603_10K, "Resistor General", Resistance=10K, Tolerance=5%, Owned=3000, PriceRCSUAH=0,06, RCS=https://www.rcscomponents.kiev.ua/product/10-kohm-5-0-1w-50v-0603-rc0603jr-0710kl-yageo_107096.html, Size=0603
R21 R23 R82 R84: library part R0603_0R, "Resistor General", Resistance=0, PriceRCSUAH=0,06, RCS=https://www.rcscomponents.kiev.ua/product/0-ohm-5-0-1w-50v-0603-rc0603jr-0r-hitano-rezistor-smd_4159.html, Size=0603
R22 R30 R31 R32 R33 R34 R35 R36 R37 R38 R39 R40 R41 R42 R43 R44 R61 R62 R63 R64 R65 R66 R67 R68 R73 R76 R88 R91: library part R0603_10K, "Resistor General", Resistance=10K, Tolerance=5%, Owned=3000, PriceRCSUAH=0,06, RCS=https://www.rcscomponents.kiev.ua/product/10-kohm-5-0-1w-50v-0603-rc0603jr-0710kl-yageo_107096.html, Size=0603
R47: library part R0805_560K_1%, "Resistor General", Resistance=560K, Tolerance=1%, Kosmodrom=http://www.kosmodrom.com.ua/el.php?name=SMDRES0805560KOM1, PriceKosmodromUAH=0,17, PriceRCSUAH=0,11, RCS=https://www.rcscomponents.kiev.ua/product/560-kohm-1-0-125w-150v-0805-rc0805fr-560kr-hitano_1487.html, Size=0805
R48 R49 R50: library part R0805_1M_1%, "Resistor General", Resistance=1M, Tolerance=1%, Kosmodrom=http://www.kosmodrom.com.ua/el.php?name=SMDRES08051MOM1, PriceKosmodromUAH=0,17, PriceRCSUAH=0,11, RCS=https://www.rcscomponents.kiev.ua/product/1-mohm-1-0-125w-150v-0805-rc0805fr-1mr-hitano_11448.html, Size=0805
R51: library part R0805_300K_1%, "Resistor General", Resistance=300K, Tolerance=1%, Kosmodrom=http://www.kosmodrom.com.ua/el.php?name=SMDRES0805300KOM1, PriceKosmodromUAH=0,12, PriceRCSUAH=N/A, RCS=https://www.rcscomponents.kiev.ua/product/300-kohm-1-0-125w-150v-0805-rezistor-smd_3009.html, Size=0805
R52: library part R0805_261K_1%, "Resistor General", Resistance=261K, Tolerance=1%, PriceRCSUAH=0,11, RCS=https://www.rcscomponents.kiev.ua/product/261-kohm-1-0-125w-150v-0805-rc0805fr-261k-hitano-rezistor-smd_27749.html, Size=0805
R55: library part R2512_0R1_1%, "Resistor General", Resistance=0R1, Tolerance=1%, Kosmodrom=http://www.kosmodrom.com.ua/el.php?name=SMDRES25120.1OM5, PriceKosmodromUAH=2,25, Size=2512, TODO="Fix Precision: 5% instead of 1%"
R57: library part R0603_100K, "Resistor General", Resistance=100K, Tolerance=5%, Owned=3000, Size=0603
R59: library part R0603_10K_1%, "Resistor General", Resistance=10K, Tolerance=1%, PriceRCSUAH=0,07, RCS=https://www.rcscomponents.kiev.ua/product/10-kohm-1-0-1w-50v-0603-rc0603fr-10kr-hitano-rezistor-smd_8516.html, Size=0603
R60: library part R0603_1K_1%, "Resistor General", Resistance=1K, Tolerance=1%, PriceRCSUAH=0,07, RCS=https://www.rcscomponents.kiev.ua/product/1-kohm-1-0-1w-50v-0603-rc0603fr-1kr-hitano-rezistor-smd_95976.html, Size=0603
R69 R70: library part R0603_1K, "Resistor General", Resistance=1K, Tolerance=5%, PriceRCSUAH=0,06, RCS=https://www.rcscomponents.kiev.ua/product/1-kohm-5-0-1w-50v-0603-0603waj0102t5e-uniohm_147392.html, Size=0603
R77 R78 R81: library part R0603_12K, "Resistor General", Resistance=12K, Tolerance=5%, Owned=3000, PriceRCSUAH=0,06, RCS=https://www.rcscomponents.kiev.ua/product/12-kohm-5-0-1w-50v-0603-rc0603jr-12k0-hitano-rezistor-smd_1014.html, Size=0603
R100: library part R2512_1M_5%, "Resistor General", Resistance=1M, Tolerance=5%, PriceRCSUAH=0,75, RCS=https://www.rcscomponents.kiev.ua/product/1-mohm-5-1w-2512-rc2512jk-1mr-hitano-rezistor-smd_51251.html, Size=2512
SW1: "Generich 2 pos switch"
SW2 SW3 SW4 SW5 SW6 SW7 SW8 SW9: "SWITCH DIP 4.3 mm"
  SW2 SW3 SW8 SW9: Kosmodrom=http://www.kosmodrom.com.ua/el.php?name=TACT-35N-F, PriceKosmodromUAH=1,25
  SW4 SW5 SW6 SW7: Kosmodrom=http://www.kosmodrom.com.ua/el.php?name=TACT-5X5X1.5, PriceKosmodromUAH=0,5
U1: "TPS560200 4.5-V to 17-V Input, 500-mA Synchronous Step-Down Converter With Advanced Eco-Mode™", Kosmodrom=http://www.kosmodrom.com.ua/el.php?name=TPS560200DBVR, PriceKosmodromUAH=6,75
U2: "SINGLE-CHIP USB-TO-UART BRIDGE", Package="VFQFN-28 Vishay Siliconix", Availability=Unavailable, Kosmodrom=http://www.kosmodrom.com.ua/el.php?name=CP2102-GMR, MF="Silicon Labs", MP=CP2102GM, Price=None, PriceKosmodromUAH=46,75, SnapEDA_Link=https://www.snapeda.com/parts/CP2102GM/Silicon%20Labs/view-part/?ref=snap
U3: "NS-HP-GL / S2525F8-GL-RTK in SMD", Owned=2
U4 U13 U19: "Very low capacitance ESD protection", Kosmodrom=http://www.kosmodrom.com.ua/el.php?name=USBLC6-2P6, PriceKosmodromUAH=4,25
U5: library part NEO, "u-blox NEO GNSS module", Manufacturer=u-blox, Part Description="u-blox GNSS module"
U6: "Temp & Humidity sensor", Kosmodrom=http://www.kosmodrom.com.ua/el.php?name=SHT30-DIS-B, PriceKosmodromUAH=75,75
U7: "LIS3MDL Series 3 Axis В±2/В±8/В±12/В±16 g 3.6V High Performance Magnetometer LGA-12", Package="VFLGA-12 STMicroelectronics", Availability=Unavailable, Kosmodrom=http://www.kosmodrom.com.ua/el.php?name=LIS3MDLTR, MF=STMicroelectronics, MP=LIS3MDLTR, Price=None, PriceKosmodromUAH=57,5, SnapEDA_Link=https://www.snapeda.com/parts/LIS3MDLTR/STMicroelectronics/view-part/?ref=snap
U8: "Gygo and acceletometer programmable I2C master IC", DigiKey=https://www.digikey.com/product-detail/en/stmicroelectronics/LSM6DSOXTR/497-18367-1-ND/9841887, Mouser=https://www.mouser.com/ProductDetail/STMicroelectronics/LSM6DSOXTR?qs=sGAEpiMZZMve4%2FbfQkoj%252BFvk5v0Gskwou%2F%2FEWTdvAK0%3D, Owned=10, PriceDigiKey=5,25, PriceMouser=4,76
U9: "SX1278 LoRa modem", Aliexpress=https://www.aliexpress.com/item/32802402060.html, Owned=2, PriceAliexpress=3,76
U10: "RA-02 LoRa modem by Ai-Thinker", Aliexpress=https://www.aliexpress.com/item/32976593804.html, OtherUA=https://1wire.com.ua/ra-02-lora-sx1278-433mhz.html, Owned=6, PriceAliexpress=2,65, PriceUAH=127,66
U11: "TPS6211x 17-V, 1.5-A, Synchronous Step-Down Converter", Kosmodrom=http://www.kosmodrom.com.ua/el.php?name=TPS62110RSAT, PriceKosmodromUAH=64
U12: "MCP73843 Single Li-ion cell charger IC", Package="SOIC-8 ON Semiconductor", Availability=Unavailable, Kosmodrom=http://www.kosmodrom.com.ua/el.php?name=MCP73843-420IMS, MF=Microchip, MP=MCP73843, Price=None, PriceKosmodromUAH=64,25
U14: "USB Type-C controller with TX/RX line driver and BMC", PriceRCSUAH=45, RCS=https://www.rcscomponents.kiev.ua/product/stusb1602aqtr_132330.html
U15 U18: "Dual inverting Schmitt trigger", Kosmodrom=http://www.kosmodrom.com.ua/el.php?name=74HC2G14GW.125, PriceKosmodromUAH=4,5
U16: "IC: SoC; GPIO, I2C, I2S, IR, SD, SDIO, SPI, UART; 2.7Г·3.6VDC; 20dBm", Package="Module Espressif Systems", Aliexpress=https://www.aliexpress.com/item/32963147246.html, Availability=Unavailable, MF="Espressif Systems", MP=ESP32-WROOM-32D, OtherUA=https://www.olx.ua/uk/obyavlenie/esp-wroom-32-esp-32-module-IDGzoQv.html, Owned=2, Price=None, PriceAliexpress=2,5, PriceUAH=135, SnapEDA_Link=https://www.snapeda.com/parts/ESP32-WROOM-32D/Espressif%20Systems/view-part/?ref=snap
U17: "Ultra-low-power Cortex-M4 32-bit MCU+FPU, 100DMIPS, up to 1MB Flash, 128 KB SRAM, USB OTG FS, LCD", OtherUA=https://step-elektronika.prom.ua/p499466797-mikrokontroller-shirokogo-naznacheniya.html, Owned=6, PriceUAH=253,84
U20: "64Kbit Serial I2C Bus EEPROM", Kosmodrom=*http://www.kosmodrom.com.ua/el.php?name=M24C64-WMN6TP, PriceKosmodromUAH=5, PriceUAH=-
VT1: "Dual General Purpose Transistors NPN SOT 363", Kosmodrom=http://www.kosmodrom.com.ua/el.php?name=BC847BDW1T1G, PriceKosmodromUAH=1,5
Y1: "Quartz resonator 8MHz", Kosmodrom=http://www.kosmodrom.com.ua/el.php?name=KX-K-8.0-MHz, PriceKosmodromUAH=6
Y2: "Quartz resonator 32.768KHz", Kosmodrom=http://www.kosmodrom.com.ua/el.php?name=KX-38T-32.768-kHz-6pF, PriceKosmodromUAH=5
P10: PriceRCSUAH=1,75, RCS=https://www.rcscomponents.kiev.ua/product/klemmnik-dg301-5-0-02p-12-00a-h-2kont-sinij-shlicz-degson_19759.html

## Via types
v1: diameter 0.6, hole 0.3, TOP to BOT, tented both sides, 1076 vias
v2: diameter 0.6/0.6 (per signal layer), hole 0.3, TOP to BOT, tented both sides, 359 vias
v3: diameter 0.8, hole 0.4, TOP to BOT, tented both sides, 70 vias